# Altium PCB LimeSDR_1v2.PcbDoc (part 8 of 9)
Units mm, origin at the board's own origin, x right, y up, seen from the top; angles counter-clockwise.
Board outline 100 x 60 mm, 12 copper layers (Top, L2, L3, L4, L5, L6, L7, L8, L9, L10, L11, Bottom), stack 1.58 mm thick; 795 components, 584 nets, 3859 pads, 2074 vias.
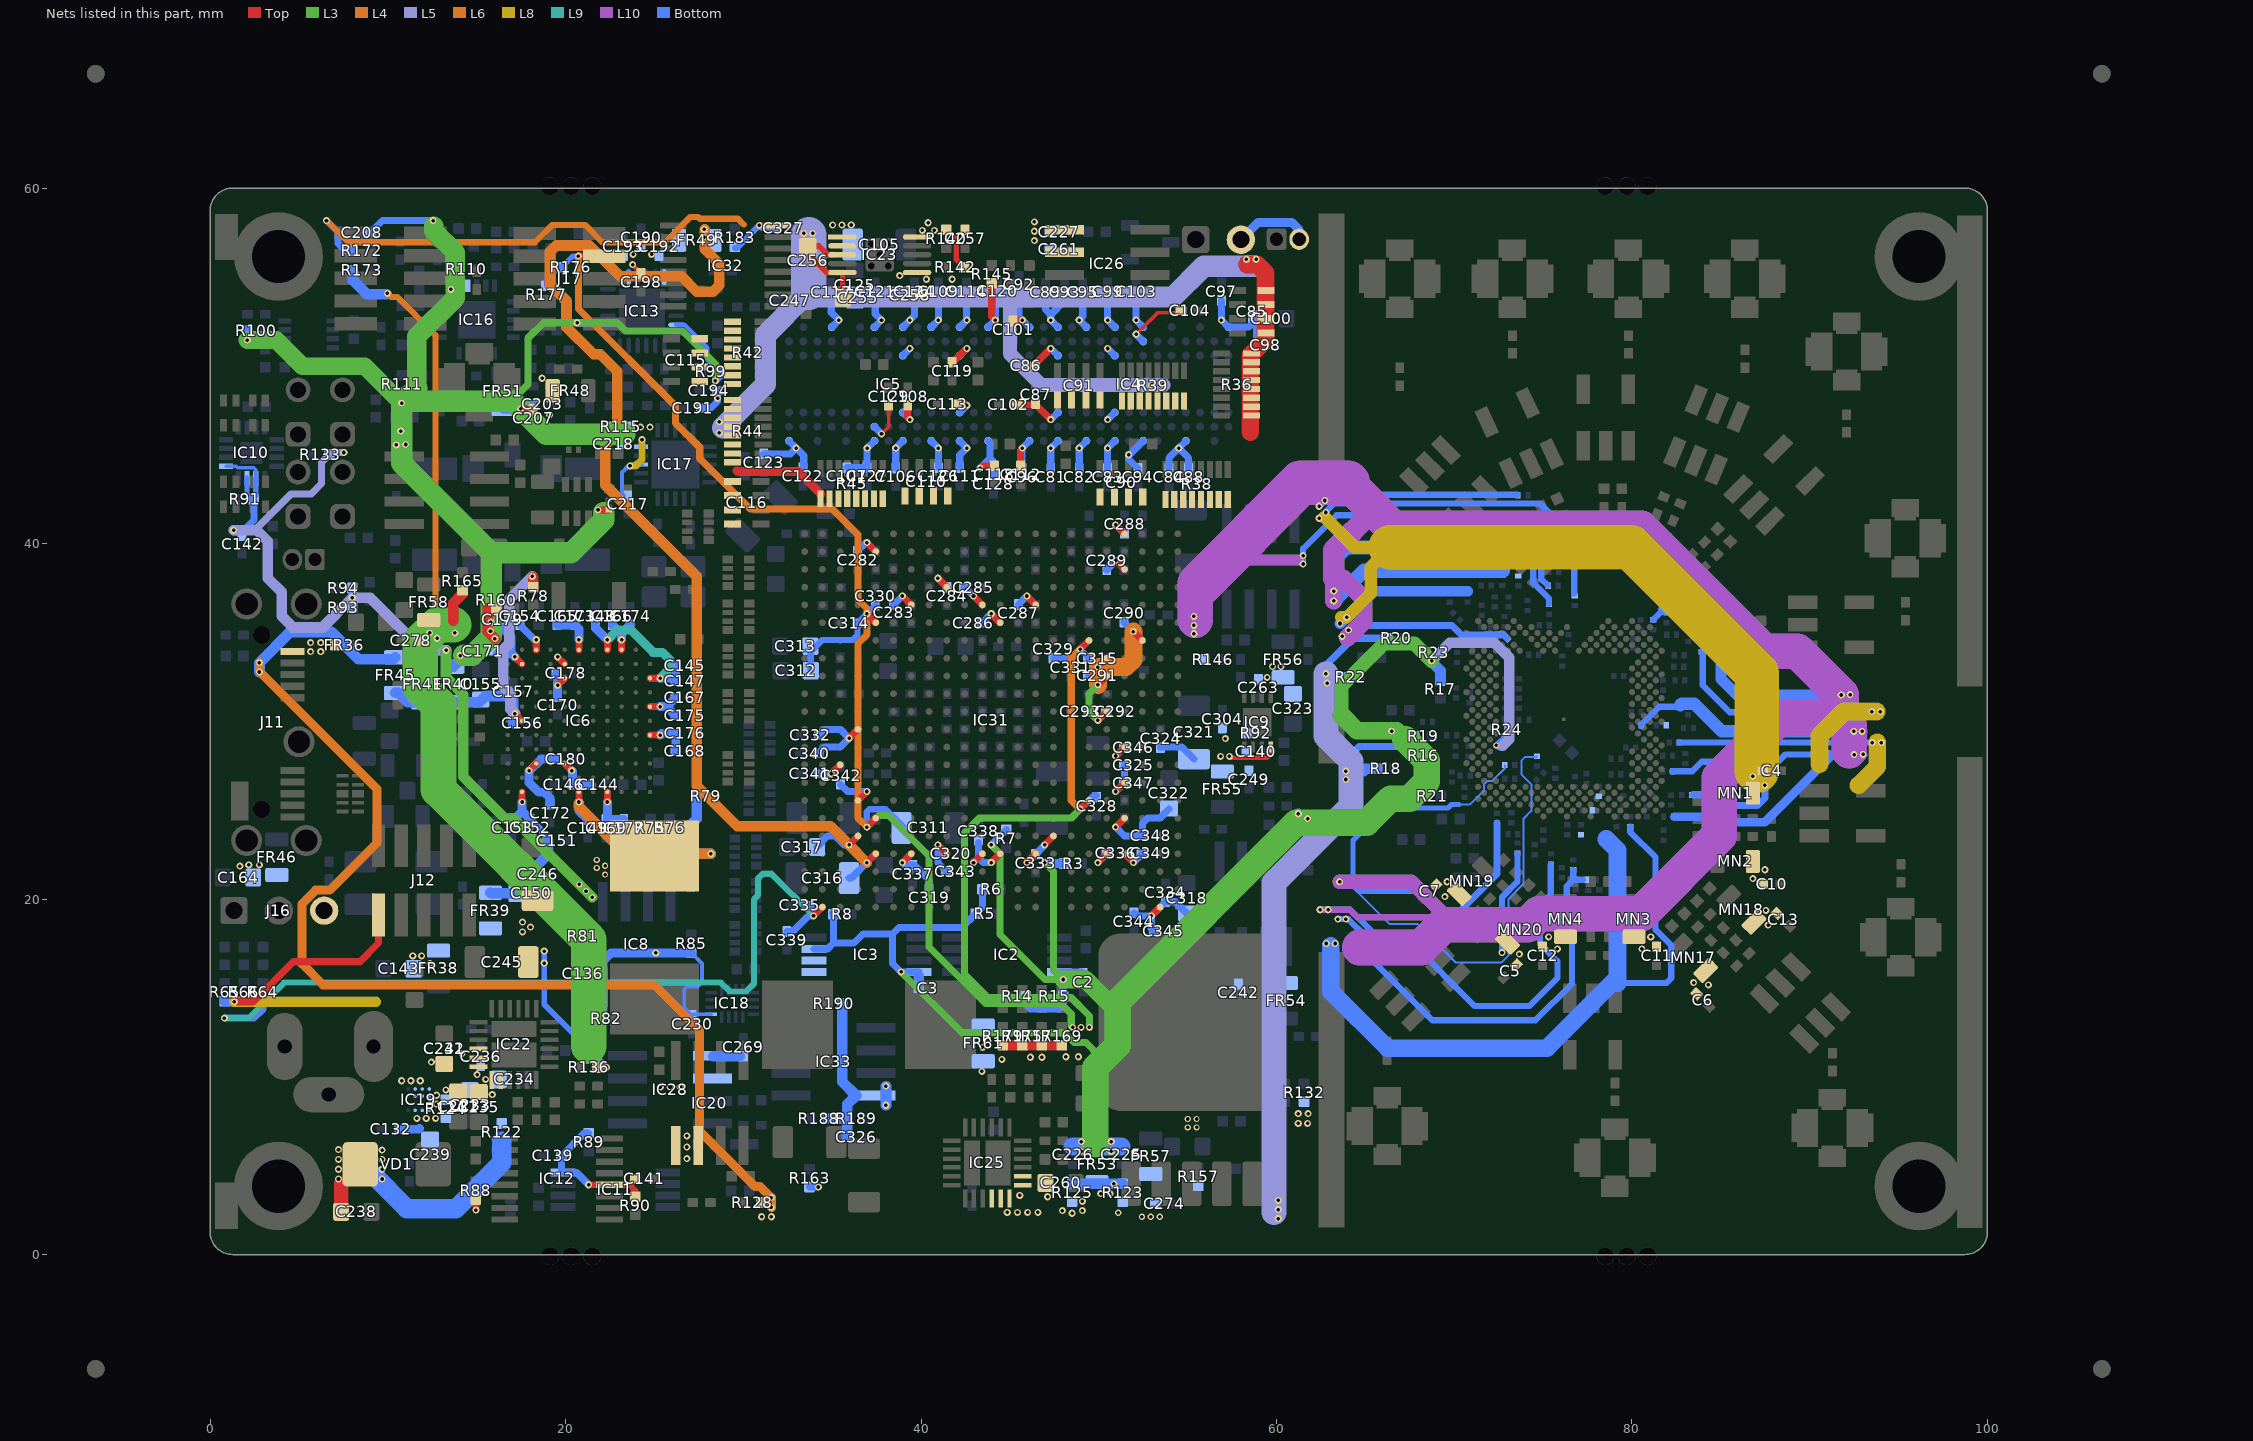
[diagram p18: the nets of this part, all layers, seen from the top]

## Via types
v1: diameter 0.4, hole 0.2, Top to Bottom, tented both sides, 1226 vias
v2: diameter 0.4, hole 0.2, Top to Bottom, tented top, 420 vias
v3: diameter 0.4, hole 0.2, Top to Bottom, 281 vias
v4: diameter 0.35, hole 0.2, Top to Bottom, tented top, 86 vias
v5: diameter 0.35, hole 0.2, Top to Bottom, tented both sides, 41 vias
v6: diameter 0.5, hole 0.2, Top to Bottom, tented both sides, 20 vias

## Nets (pads, with @x,y where several pads share a name; then routed paths per layer and width w, separated by ;. In a path a pad name is that pad's centre, name@x,y a point inside that pad or via, vN(x,y) a via of type N, cw(c..) or ccw(c..) an arc to the next point about the centre after c; other vN are vias at no path point) (continued)
VCC1P8_DDR2: C81.1 C82.1 C83.1 C84.1 C86.1 C87.1 C88.1 C89.1 C92.1 C93.1 C94.1 C95.1 C96.1 C97.1 C98.1 C99.1 C100.2 C101.2 C102.2 C103.1 C105.2 C106.1 C107.1 C108.1 C109.1 C111.1 C112.1 C113.1 C114.1 C117.1 C118.1 C119.1 C120.1 C121.1 C122.1 C123.1 C124.1 C125.2 C126.2 C127.2 C128.1 C247.2 IC4.A1 IC4.A9 IC4.C1 IC4.C3 IC4.C7 IC4.C9 IC4.E1 IC4.E9 IC4.G1 IC4.G3 IC4.G7 IC4.G9 IC4.J1 IC4.J9 IC4.M9 IC4.R1 IC5.A1 IC5.A9 IC5.C1 IC5.C3 IC5.C7 IC5.C9 IC5.E1 IC5.E9 IC5.G1 IC5.G3 IC5.G7 IC5.G9 IC5.J1 IC5.J9 IC5.M9 IC5.R1 IC23.1 IC23.2 R145.1 | length 71.8
  Top w0.4: C108.1@39.25,47.775 39.25,47.1 v1(39.375,46.975) ; C119.1@41.75,50.2 41.8,50.2 v1(42.575,50.975) ; C113.1@41.975,47.85 42.5,47.85 v1(42.575,47.775) ; v1(43.325,44.25) 43.45,44.375 C118.1@44.125,44.375 ; R145.1@43.975,54.75 43.975,52.775 v1(44.175,52.575) ; C101.2@45.175,52.525 45.225,52.575 v1(45.7,52.575) ; C102.2@45.4,47.8 46.475,47.8 v1(47.3,46.975) ; C112.1@45.6,44.375 45.6,45.275 v1(45.7,45.375) ; C86.1@46.4,50 46.4,50.075 v1(47.3,50.975)
  Bottom w0.4: C123.1@31.15,45.05 32.65,45.05 v1(32.975,45.375) ; IC5.R1@32.575,45.775 v1(32.975,45.375) ; C122.1@33.4,44.275 33.4,44.95 v1(32.975,45.375) ; C247.2@33.45,53.675 34.925,53.675 C117.1@34.95,53.65 ; IC5.M9@34.975,52.175 v1(35.375,52.575) 34.95,53 C117.1@34.95,53.65 ; C107.1@35.825,44.275 C127.2@36.95,44.275 36.95,45.35 v1(36.975,45.375) IC5.J1@37.375,45.775 ; IC5.J9@37.375,52.175 v1(37.775,52.575) 37.425,52.925 C121.1@37.425,53.675 36.325,53.675 36.275,53.725 35.025,53.725 C117.1@34.95,53.65 ; C106.1@38.575,44.25 v1(38.575,45.375) IC5.G1@38.975,45.775 ; IC5.G3@38.975,47.375 v1(39.375,46.975) ; IC5.G7@38.975,50.575 v1(39.375,50.975) ; IC5.G9@38.975,52.175 v1(39.375,52.575) 39.625,52.825 C124.1@39.625,53.675 ; IC5.E1@40.575,45.775 v1(40.975,45.375) C126.2@40.975,44.275 ; IC5.E9@40.575,52.175 v1(40.975,52.575) C109.1@40.975,53.675 ; C111.1@42.175,44.275 42.175,44.975 v1(42.575,45.375) IC5.C1@42.175,45.775 ; IC5.C3@42.175,47.375 v1(42.575,47.775) ; IC5.C7@42.175,50.575 v1(42.575,50.975) ; IC5.C9@42.175,52.175 v1(42.575,52.575) 42.55,52.6 C114.1@42.55,53.675 ; v1(43.325,44.25) 43.875,44.8 ; IC5.A1@43.775,45.775 43.875,45.675 43.875,44.8 ; IC5.A9@43.775,52.175 v1(44.175,52.575) C120.1@44.175,53.7 ; C128.1@44.075,43.825 44.075,44.6 43.875,44.8 ; C92.1@45.5,54.05 45.5,52.775 v1(45.7,52.575) IC4.A1@46.1,52.175 ; C96.1@45.675,44.225 45.675,45.35 v1(45.7,45.375) IC4.A9@46.1,45.775 ; C89.1@47,53.65 47,53.175 47.3,52.875 ; C81.1@47.3,44.225 v1(47.3,45.375) IC4.C9@47.7,45.775 ; v1(47.3,46.975) IC4.C7@47.7,47.375 ; v1(47.3,50.975) IC4.C3@47.7,50.575 ; IC4.C1@47.7,52.175 v1(47.3,52.575) 47.3,52.875 ; C93.1@48.075,53.65 47.3,52.875 ; C82.1@48.9,44.225 v1(48.9,45.375) IC4.E9@49.3,45.775 ; C95.1@49.1,53.65 49.1,52.775 v1(48.9,52.575) IC4.E1@49.3,52.175 ; C83.1@50.5,44.225 v1(50.5,45.375) IC4.G9@50.9,45.775 ; v1(50.5,46.975) IC4.G7@50.9,47.375 ; v1(50.5,50.975) IC4.G3@50.9,50.575 ; C99.1@50.5,53.675 v1(50.5,52.575) IC4.G1@50.9,52.175 ; C103.1@52.1,53.675 v1(52.1,52.575) IC4.J1@52.5,52.175 ; C94.1@52.2,44.225 51.675,44.75 v1(51.675,45) 51.725,45 IC4.J9@52.5,45.775 ; C84.1@53.95,44.225 53.95,44.825 v1(54.5,45.375) ; IC4.M9@54.9,45.775 v1(54.5,45.375) ; C88.1@55.05,44.225 55.05,44.825 v1(54.5,45.375) ; C97.1@56.9,53.675 v1(56.9,52.575) IC4.R1@57.3,52.175 58.425,52.175 58.875,52.625 C98.1@58.875,51.15
  other v1: 35.025,57.925 35.55,57.925 36.075,57.925
VCC1P8_FX3: C143.2 C144.1 C145.1 C146.2 C147.2 C148.1 C149.2 FR38.2 IC6.E3 IC6.F1 IC6.H11 IC6.L9 R75.1 R76.1 R79.1 | length 28.9
  Top w0.4: IC6.E3@19.95,27.625 v2(20.35,27.225) ; v2(20.75,25.459) IC6.F1@20.75,26.025 ; IC6.H11@22.35,34.025 v2(22.35,34.591) ; IC6.L9@24.75,32.425 v2(25.316,32.425)
  L4 w0.6: v2@20.75,25.359 20.75,25.175 23.375,22.55 v1(28.175,22.55)
  L9 w0.5: v2@22.372,34.591 22.922,35.141 23.657,35.141 24.922,33.875 25.443,33.875 25.866,33.453 25.866,32.975 v2(25.316,32.425)
  Bottom w0.5: v2(20.35,27.225) 20.4,27.175 C146.2@20.4,26.425 C144.1@21.45,26.425 ; v2(20.75,25.459) 20.75,24.975 C149.2@21.25,24.475 ; C148.1@21.675,35.425 21.675,35.266 v2(22.35,34.591) ; v2(25.316,32.425) C147.2@26.025,32.425 ; C147.2@26.2,32.25 C145.1@26.2,33.125
  Bottom w0.6: R75.1@24.775,23.5 R76.1@25.85,23.5 26.35,23.5 ; R79.1@27.375,25.775 27.375,24.525 26.35,23.5 ; v1(28.175,22.55) 27.3,22.55 26.35,23.5
  other v1: 12.375,16.375 11.4,16.8 11.9,16.8
VCC1P8_LMS: C4.2 C5.2 C6.2 C7.2 C10.2 C11.2 C12.2 C13.2 FR3.2 FR6.2 FR7.2 FR12.2 FR19.2 FR21.1 FR23.1 FR32.2 FR48.1 MN1.2 MN2.2 MN3.2 MN4.2 MN17.2 MN18.2 MN19.2 MN20.2 R25.2 R27.2 R35.1 R132.1 | length 133.6
  L8 w0.7: 62.687,41.488 64.375,39.8 66.425,39.8 65.3,38.675 65.3,37.2 v1(63.95,35.85) 63.65,35.85
  L8 w1: 90.55,27.6 90.55,29.175 91.925,30.55 93.75,30.55 ; 92.75,26.4 93.8,27.45 93.8,28.825
  L8 w2.5: 66.425,39.8 79.925,39.8 87.025,32.7 87.025,27.225
  Bottom w0.35: v1(62.4,41.425) 63.225,42.25 74.824,42.25 76.751,40.323 FR19.2@76.751,37.194 ; v1(63.45,18.875) 64.031,18.875 65.041,17.866 65.041,16.903 68.768,13.175 74.559,13.175 76.631,15.247 76.631,17.541 76.325,17.847 76.325,20.725 76.685,21.085 FR7.2@76.689,21.085 ; v1(72.685,16.983) 72.685,20.109 73.551,20.975 R25.2@73.551,22.564 ; FR3.2@76.7,21.64 76.7,21.096 FR7.2@76.689,21.085 ; 77.24,21.089 77.236,21.085 FR7.2@76.689,21.085 ; FR21.1@82.654,28.806 v1(93.525,28.806) 94.019,28.806 v1(94.025,28.8) ; FR23.1@83.926,33.939 83.975,33.89 83.975,32.031 85.5,30.506 93.931,30.506 v1(93.975,30.55)
  Bottom w0.4: FR12.2@83.436,25.869 84.131,25.869 84.288,25.712 85.279,25.712 85.721,25.269 87.065,25.269 87.48,25.684 v1(87.48,26.397) 86.98,26.897 v1(86.805,26.897)
  Bottom w0.6: v1(63.572,35.503) 65.394,37.325 R35.1@70.75,37.325
  other v1: 61.225,7.375 61.75,7.375 61.225,7.925 61.775,7.925 84.3,15.171 83.469,15.295 73.666,16.907 75.806,17.199 80.555,17.199 75.306,17.874 81.055,17.874 87.658,18.529 63.9,18.875 87.534,19.36 69.477,20.141 69.6,20.972 86.805,21.148 87.48,21.648 93.5,30.55 62.775,41.75 19.1,47.25 18.675,49.3
VCC1P25_LMS: FR1.2 FR2.1 FR4.1 FR5.1 FR8.2 FR9.1 FR11.2 FR13.2 FR14.1 FR15.2 FR18.1 FR22.2 FR25.2 FR26.2 FR27.1 FR28.1 FR30.1 R29.1 R30.2 R32.1 R33.2 R34.1 R146.1 | length 340.7
  L10 w0.35: 61.272,39.075 v1(61.497,38.85) ; 61.272,39.1 v1(61.497,39.325) ; v1(62.45,19.4) 64.125,19.4 64.55,18.975 68.525,18.975
  L10 w0.6: 58.025,39.075 61.272,39.075
  L10 w0.8: v1(63.55,20.975) 67.582,20.975 69.398,19.159
  L10 w1: v1(63.222,36.778) v1(63.222,37.325) 63.222,38.05 63.75,38.05 64.9,36.9 64.9,35.6 64.013,34.713 ; 65.463,41.862 65.463,41.962
  L10 w1.2: 63.222,38.05 63.222,39.622 65.463,41.862
  L10 w2: 55.425,35.7 55.425,37.8 ; 64,43.425 65.463,41.962 66.575,40.85 80.525,40.85 87.425,33.95 89.306,33.95 v1(91.775,31.481) 91.775,30.2 ; 64.675,17.275 68.13,17.275 69.398,18.543 74.136,18.543 74.768,19.174 80.517,19.174 84.9,23.558 84.9,26.831 88.269,30.2 91.775,30.2 ; 92.225,28.35 92.225,29.75 91.775,30.2
  L10 w2.5: 55.7,37.75 61.225,43.275 ; 61.375,43.425 64,43.425
  Bottom w0.11: 64.425,20.525 66.343,18.607 67.918,18.607 70.097,16.428 72.65,16.428 73.04,16.818 73.04,19.997 73.896,20.853 73.896,24.514 74.342,24.96 74.342,26.01 74.342,26.45 73.776,27.016 73.776,27.785 73.994,28.003 74.631,28.003 R29.1@74.651,28.024 ; 70.251,25.319 70.876,25.319 71.684,26.127 71.684,26.45 71.877,26.643 72.145,26.643 72.846,27.345 FR4.1@72.846,27.544
  Bottom w0.3: 64.3,20.975 64.3,23.3 66.119,25.119 69.651,25.119 69.851,25.319 70.251,25.319
  Bottom w0.35: v1(61.497,38.85) v1(61.497,39.325) 61.497,39.715 63.381,41.6 FR25.2@73.42,41.6 ; v1@62.4,42.075 63.075,42.75 FR5.1@73.565,42.75 ; v1@62.425,19.4 v1(62.45,19.4) v1(62.9,19.4) 64.143,19.4 65.915,17.627 67.512,17.627 71.164,13.975 74.227,13.975 75.805,15.553 75.805,16.511 74.831,17.485 74.831,19.656 75.426,20.251 FR13.2@75.426,21.939 ; R32.1@75.276,37.644 75.251,37.644 74.896,37.999 74.896,38.625 73.796,39.725 73.5,39.725 73.5,39.565 74.446,38.619 74.446,37.795 75.326,36.915 FR22.2@75.326,36.619 ; 79.188,15.274 81.927,15.274 82.205,15.553 82.205,17.396 81.325,18.276 81.325,22.345 79.901,23.769 FR1.2@79.901,24.064 ; FR18.1@80.505,29.775 81.544,30.814 82.689,30.814 ; FR28.1@81.191,35.714 81.587,36.11 ; R30.2@82.251,27.194 83.394,27.194 83.93,27.73 88.23,27.73 88.637,28.137 90.973,28.137 91.287,28.137
  Bottom w0.4: v1(63.693,34.775) v1(64.05,35.132) 64.318,35.4 69.87,35.4 70.406,34.864 71.765,34.864 71.77,34.869 71.772,34.869 71.777,34.864 72.325,34.864 72.33,34.869 72.776,34.869 FR26.2@72.964,34.681 ; 69.55,19.125 70.125,19.125 72.401,21.401 FR2.1@72.401,24.289
  Bottom w0.5: R33.2@82.401,24.629 84.996,24.629 85.306,24.319 87.469,24.319 91.287,28.137 ; 90.973,28.137 v1(93,28.137)
  Bottom w0.6: v1(63.55,20.975) 64.3,20.975 64.7,20.575 68.1,20.575 69.55,19.125 ; 81.752,36.275 83.612,36.275 85.005,34.882 85.005,32.381 85.904,31.481 v1(91.775,31.481) v1@92.325,31.481
  Bottom w0.7: 82.708,30.908 82.794,30.994 83.492,30.994 85.055,29.431 v1(92.475,29.431) v1@92.9,29.431
  Bottom w0.8: 72.726,38.475 64.918,38.475 v1(63.222,36.778) v1(63.222,37.325) 63.222,39.072 63.925,39.775 73.5,39.775
  Bottom w1: 63.05,17.375 63.05,14.8 66.25,11.6 75.211,11.6 79.037,15.426 ; 78.556,23.382 79.188,22.75 79.188,15.274
  other v1: 62.8,17.5 63.3,17.5 92.5,28.125 92.95,29.431 92.275,31.5 55.35,34.925 55.35,35.4 55.35,35.9 62.4,42.1 62.725,42.425
VCC1P25_LMS_DIG: R16.2 R18.2 R20.2 R22.2 R157.1 | length 46.6
  L5 w1.4: 59.85,2.375 59.85,20.9 64.2,25.25 64.2,27.75 62.775,29.175 v1(62.775,32.675)
  Bottom w0.4: 62.95,31.65 62.95,32.1 63.325,32.475 ; R22.2@63.675,32.475 63.325,32.475 ; 63.95,27.875 64.65,28.575 67.25,28.575 R16.2@67.75,28.075 ; R20.2@66.225,34.675 64.3,34.675 62.775,33.15 v1(62.775,32.675) 62.975,32.475 63.325,32.475
  Bottom w0.6: 63.95,26.525 v1@63.95,27.2 ; 63.95,27.875 v1@63.95,27.2 ; R18.2@65.65,27.325 65.025,27.325 64.9,27.2 v1@63.95,27.2
  other v1: 60.1,2.025 60.1,2.525 60.1,3.05 63.9,26.725 63.9,27.2 62.85,32.15
VCC2P5: FR45.2 FR61.1 R125.2 R128.1 R163.1 | length 67.7
  L6 w0.5: v1(2.775,33.3) 2.775,32.815 9.4,26.19 9.4,23.172 6.728,20.5 5.939,20.5 5.175,19.736 5.175,16.35 6.35,15.175 25,15.175 27.525,12.65 27.525,6.972 30.672,3.825 30.95,3.825 v1(31.575,3.2) v1(31.575,2.65)
  Bottom w0.4: R163.1@33.725,3.8 v1(34.225,3.8)
  Bottom w0.6: v1(2.775,32.775) v1(2.775,33.3) 4.5,35.025 6.825,35.025 8.35,33.5 10.325,33.5 FR45.2@10.425,33.6
  other v1: 31.025,2.125 31.575,2.125 48.5,2.325 47.95,2.475 49.075,2.475 49.075,3 43.425,10.3 44.55,10.975 43.45,11.65
VCC2P5A: C311.2 C312.2 C313.2 C314.2 C315.1 C328.1 C329.1 C330.1 C331.1 FR61.2 IC31.F18 IC31.G6 IC31.T6 IC31.U18 J17.4 R169.1 R171.1 R175.1 R176.2 R177.2 R179.1 | length 118.7
  Top w0.4: v1(20.725,56.175) J17.4@22.175,56.175 ; v2(36.95,24.05) IC31.F18@37.45,24.55 ; v2(36.95,36.05) IC31.U18@37.45,35.55 ; v2(48.95,25.05) IC31.G6@49.45,25.55 ; v2(48.95,34.05) IC31.T6@49.45,34.55
  Top w0.6: R179.1@44.6,11.775 R171.1@46.8,11.775 R169.1@47.925,11.775
  L3 w0.4: v2(36.95,24.05) 37.6,24.7 38.175,24.7 40.45,22.425 40.45,17.3 43.625,14.125 47.857,14.125 48.45,13.532 48.45,12.85 v1(48.525,12.775) ; v2(48.95,25.05) 48.45,24.55 43.275,24.55 42.45,23.725 42.45,15.775 43.775,14.45 48.45,14.45 49.475,13.425 v1(49.475,12.775)
  L6 w0.4: v1(20.725,56.175) 20.725,53.2 26.175,47.75 26.175,46.793 27.55,45.418 27.55,44.793 30.393,41.95 35,41.95 36.45,40.5 36.45,36.843 36.95,36.343 v2(36.95,36.05) 36.95,34.875 36.45,34.375 36.45,24.55 v2(36.95,24.05) ; v2(48.95,25.05) 48.45,25.55 48.45,33.55 v2(48.95,34.05)
  Bottom w0.3: R177.2@18.925,54.5 18.925,54.85 19.625,55.55 R176.2@19.75,55.55 ; R176.2@19.8,55.55 20.425,56.175 v1(20.725,56.175)
  Bottom w0.35: C312.2@33.8,32.875 33.8,33.925 34.45,34.575 36.147,34.575 36.425,34.853 C314.2@36.425,35.525 v2(36.95,36.05) C330.1@37.425,36.525 C330.1@37.45,36.525 ; v2(36.95,24.05) 36.95,24.9 37.1,25.05 38,25.05 C311.2@39.025,24.025 ; C329.1@47.425,33.55 48.45,33.55 v2(48.95,34.05) 49.4,33.6 C315.1@49.4,33.55
  Bottom w0.4: v2(48.95,25.05) 49.725,25.825 C328.1@49.875,25.825
  other v1: 46.15,11.1 46.8,11.1 48.15,11.125 48.85,11.125 49,12.775
VCC3P3: C136.1 C139.1 C140.1 C141.1 C142.1 C227.2 C230.2 C242.2 C245.2 C246.2 C249.2 C257.2 C261.2 C263.2 C269.2 C274.2 C304.1 C321.2 C322.2 C323.2 C324.2 C325.1 C326.1 C327.1 C346.1 C347.1 C348.1 C349.1 FR39.1 FR41.2 FR54.1 FR55.1 FR56.1 FR57.1 IC8.8 IC9.8 IC10.1 IC10.14 IC10.15 IC11.8 IC12.12 IC18.13 IC20.1 IC20.2 IC23.10 IC26.1 IC26.2 IC28.1 IC28.2 IC31.D4 IC31.F4 IC31.H4 IC31.K4 IC32.16 IC33.8 J12.1 J19.2 J20.2 L1.2 R65.1 R66.1 R81.1 R82.1 R85.1 R88.1 R89.2 R90.2 R91.1 R92.2 R93.1 R94.1 R123.2 R133.1 R136.1 R140.1 R142.1 R172.1 R183.1 R188.1 R189.1 R190.1 | length 173.5
  Top w0.25: v1(57.35,28.025) 57.425,27.95 59.475,27.95 59.675,28.15 IC9.8@59.675,28.55
  Top w0.3: 41.975,57.325 41.975,56 R142.1@42.425,55.55
  Top w0.309: R136.1@21.8,10.525 v1@22.35,10.525
  Top w0.35: v1(21.3,3.925) IC12.12@22.475,3.925 23.6,3.925 ; R90.2@23.925,3.25 23.925,3.6 23.6,3.925 ; C141.1@23.925,4.25 23.6,3.925 ; v1(30.9,57.9) IC32.16@31.95,57.9
  Top w0.4: v1(1.362,14.225) 2.437,14.225 4.687,16.475 8.425,16.475 9.475,17.525 J12.1@9.475,19.1 ; v1(14.95,2.5) R88.1@14.95,3.1 ; v2(50.95,24.05) IC31.F4@51.45,24.55 ; v2(50.95,26.05) IC31.H4@51.45,26.55 ; v2(50.95,28.05) IC31.K4@51.45,28.55 ; IC31.D4@51.45,22.55 v2(51.95,22.05)
  L3 w0.6: v1@13.275,33.925 13.275,32.475 14.25,31.5 14.25,26.875 16.6,24.525 17.075,24.525 v5(21.5,20.1)
  L5 w0.4: 2.625,40.75 2.625,40.864 4.561,42.8 5.7,42.8 6.275,43.375 6.275,44.575 6.825,45.125 v1(7.525,45.125)
  L5 w0.6: v1(1.325,40.75) 2.625,40.75 3.25,40.125 3.25,38.05 4.025,37.275 4.025,35.925 4.675,35.275 6.325,35.275 v1(8,36.95) 9,36.95 11.95,34 v1(13.275,34)
  L8 w0.6: v1(1.362,14.225) 9.325,14.225
  L6 w0.35: v1(6.55,58.175) 7.775,56.95 18.275,56.95 19.25,57.925 21.1,57.925 22.075,56.95 25.6,56.95 27.025,58.375 27.453,58.375 27.553,58.275 29.7,58.275 30.025,57.95
  Bottom w0.2: IC10.1@0.9,44.35 1.475,44.35 1.55,44.275 2.45,44.275 2.575,44.15 IC10.14@2.575,43.675 ; R91.1@2.35,42.5 R91.1@2.575,42.725 ; R85.1@27.075,16.975 27.675,16.375 27.675,15.321 27.429,15.075 26.821,15.075 26.675,14.929 26.675,13.9 C230.2@27.125,13.45 ; C230.2@27.2,13.525 IC18.13@28.2,13.525
  Bottom w0.3: IC10.15@2.075,43.675 2.075,42.775 R91.1@2.35,42.5 ; R91.1@2.575,42.725 IC10.14@2.575,43.675
  Bottom w0.309: v1(18.8,17.075) 18.8,14.075 v1@22.35,10.525
  Bottom w0.35: R183.1@29.525,56.625 29.625,56.625 v1(30.9,57.9) 31.05,57.75 C327.1@31.75,57.75
  Bottom w0.4: C142.1@1.85,40.7 2.475,41.325 2.475,42.375 R91.1@2.35,42.5 ; v1(6.55,58.175) 7.2,57.525 7.2,56.9 7.625,56.475 R172.1@8.025,56.475 ; R133.1@6.725,45.125 v1(7.525,45.125) ; R93.1@8,36.4 v1(8,36.95) R94.1@8,37.5 ; v1(21.3,3.925) 20.6,4.625 IC11.8@19.85,4.625 19.775,4.7 C139.1@19.775,5.55 21.05,6.825 R89.2@21.3,6.825 ; v2(50.95,24.05) 51.45,23.55 52.45,23.55 52.45,24.257 52.743,24.55 53.425,24.55 C322.2@53.95,25.075 ; v2(50.95,26.05) C347.1@51.425,26.525 ; v2(50.95,28.05) 51.425,28.525 C346.1@51.45,28.525 ; 51.45,26.775 C325.1@51.45,27.525 ; v2(51.95,22.05) 52.425,22.525 C349.1@52.425,22.575 ; C324.2@53.475,28.525 53.475,28.55 54.675,28.55 C321.2@55.35,27.875
  Bottom w0.5: C136.1@20.975,16.3 20.975,16.45 21.4,16.875 ; R81.1@20.975,17.4 20.975,17.3 21.4,16.875 ; R82.1@21.8,13.275 22.095,13.57 IC8.8@22.095,15.05 22.095,16.505 ; R85.1@27.075,16.975 22.565,16.975 22.095,16.505 ; J19.2@57.995,57.1 58.97,58.075 60.85,58.075 61.27,57.655 J20.2@61.27,57.125 ; 21.4,16.875 21.725,16.875 22.095,16.505
  Bottom w0.6: R65.1@0.825,14.25 R66.1@1.9,14.25 ; v1(1.325,40.75) 1.9,40.75 ; FR41.2@11.95,33.075 11.95,33.35 12.6,34 v1(13.275,34) ; IC28.1@28.305,11.15 C269.2@29.8,11.15 ; R188.1@34.75,7.65 R189.1@35.85,7.65 ; R190.1@35.575,14.1 35.575,9.715 36.345,8.945 35.85,8.45 R189.1@35.85,7.65 ; C326.1@35.85,6.6 R189.1@35.85,7.65 ; v1(38.025,8.4) v1(38.025,9.475)
  other v1: 26.825,5.4 26.825,6.05 26.825,6.675 25.325,9.425 25.875,9.425 26.45,9.425 22.3,10.525 18.8,16.4 25.075,16.975 17.575,18.15 18.025,18.425 17.575,18.7 56.85,28.025 57.125,29.025 59.475,32.475 59.775,33.075 60.25,33.075 46.375,57.05 46.375,57.575 40.075,57.625 40.75,57.625 40.4,58.05 46.375,58.1
  other v5: 52.425,2.125 52.925,2.125 53.425,2.125 51.1,2.35 55,7.15 55.5,7.15 55,7.625 55.5,7.625 21.15,20.45 20.775,20.825 22.225,21.375 21.75,21.75 22.225,21.875 21.75,22.2
VCC3P3_CFX3: C155.2 C156.2 C157.1 FR40.1 FR41.1 FR45.1 IC6.B6 R78.2 | length 18.1
  Top w0.4: v2(17.15,30.425) IC6.B6@17.55,30.025
  Top w0.6: R78.2@18.175,37.55 v1@18.175,38.094
  L5 w0.6: v2(17.15,30.425) 16.9,30.675 16.9,31.575 16.5,31.975 16.5,34.05 16.825,34.375 16.825,36.85 v1(18.125,38.15)
  Bottom w0.6: FR45.1@10.425,31.6 10.59,31.6 11.115,31.075 FR41.1@11.95,31.075 FR40.1@13.675,31.075 15.15,31.075 15.5,31.425 16.775,31.425 C157.1@17.05,31.15 C156.2@17.05,29.9
VCC3P3_CLK: C203.2 C207.1 C208.1 FR40.2 FR47.2 FR51.1 FR52.1 IC13.8 IC13.23 IC16.16 IC16.17 R99.1 R100.1 R110.2 R111.2 R115.2 R160.1 | length 93.2
  Top w0.4: v1(17.475,47.575) C207.1@18.075,47.575 ; v1(21.825,41.895) FR52.1@22.425,41.895
  Top w0.6: 15.625,36.325 15.625,35.05 v1(16.025,34.65)
  L3 w0.4: 17.175,48.25 17.875,48.95 17.875,51.55 18.75,52.425 v1(20.65,52.425) 22.925,52.425 23.387,51.963 26.571,51.963 28.464,50.07 28.464,49.661 28.425,49.623 v2(28.425,49.15)
  L3 w1: v1(2.1,51.45) 3.725,51.45 5.2,49.975 8.7,49.975 v1(10.775,47.9)
  L3 w1.1: 11.625,48.75 11.625,51.65 13.8,53.825 13.8,56.375 12.575,57.6 12.575,57.85
  L3 w1.2: 11.625,48.75 v1@10.875,48 ; 14.275,33.725 14.761,33.725 15.825,34.789 15.825,39.475 ; 22.15,41.75 22.15,41.325 20.3,39.475 15.825,39.475 ; 23.325,46.15 18.9,46.15 v1(17.475,47.575) 17.05,48 v1@10.875,48 ; v1@10.875,48 v1(10.775,47.9) 10.775,44.525 15.825,39.475
  Bottom w0.25: v1(20.65,52.425) 20.762,52.313 IC13.8@22.375,52.313 ; IC13.23@26.225,52.313 26.687,52.313 27.975,51.025 27.975,50.375 R99.1@28.675,49.675
  Bottom w0.4: C208.1@9.025,57.5 9.7,58.175 v1(12.55,58.175) ; v2(28.425,49.15) 28.675,49.4 R99.1@28.675,49.675
  Bottom w0.5: v1(2.1,51.45) R100.1@2.1,52.025 ; v1(10.775,47.9) R111.2@10.775,48.475 ; FR51.1@16.475,47.575 v1(17.475,47.575) 17.75,47.85 C203.2@18.175,47.85
  Bottom w0.6: FR40.2@13.675,33.075 14.075,33.475 v1(14.075,33.7)
  other v1: 15.775,35.075 15.8,35.575 10.475,45.55 11,45.575 10.725,46.325 24.225,46.55 24.75,46.55 13.55,54.3
VCC3P3_FX3: C150.2 C151.1 C152.2 C153.1 C154.2 FR39.2 IC6.B1 IC6.C11 IC6.E10 | length 11.6
  Top w0.4: v2(17.55,25.459) IC6.B1@17.55,26.025 ; IC6.C11@18.35,34.025 v2(18.35,34.591) ; v2(19.55,33.625) IC6.E10@19.95,33.225
  Bottom w0.4: C154.2@17.425,35.425 18.259,34.591 v2(18.35,34.591) ; C152.2@18,24.5 19,23.5 C151.1@19,23.275